# KiCad board IotKnob.kicad_pcb (continued)
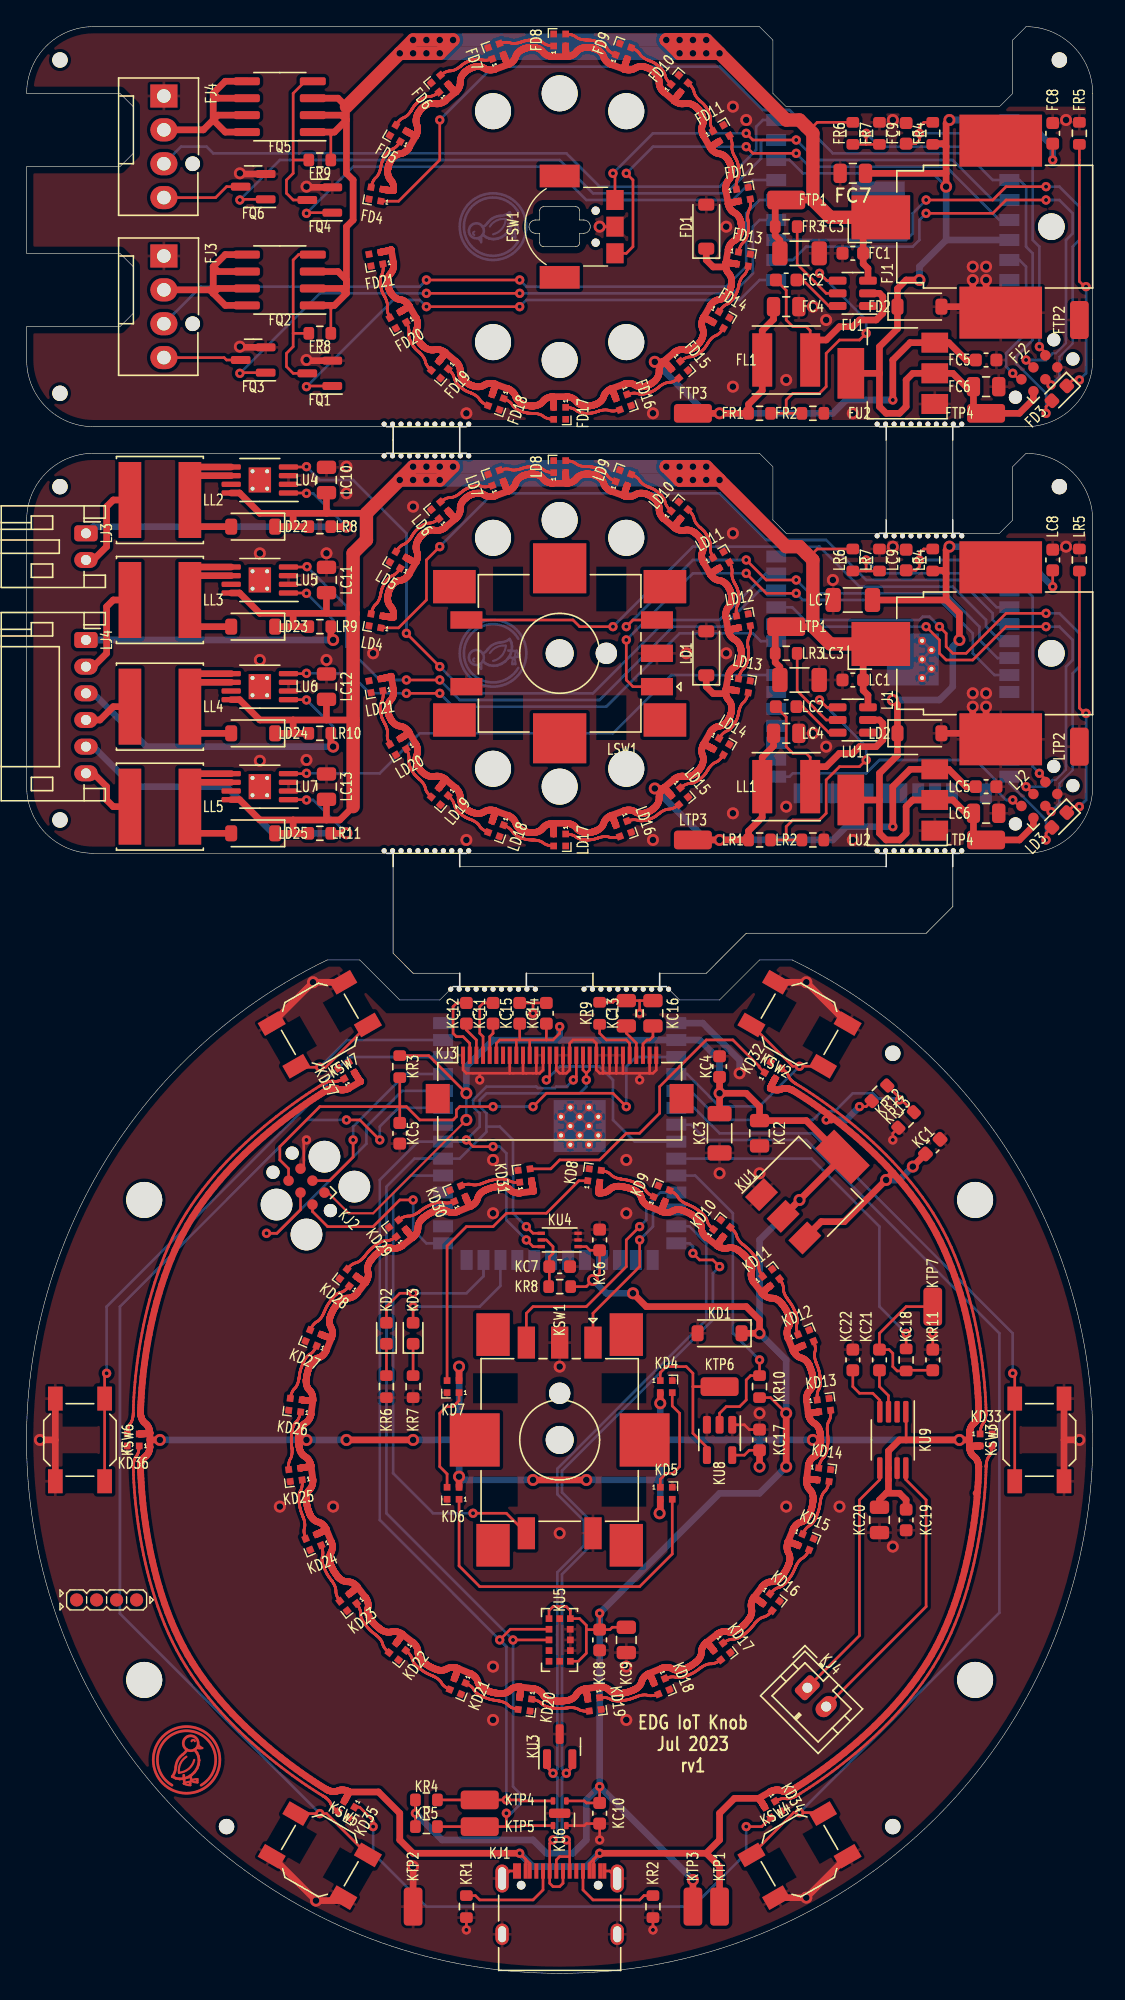
[diagram p0: board, top side]
## Routing (per net, layer and track width the routed paths; a pad name or vN(x,y) marks a point on that pad's centre or on a via; arc(x,y) is an arc through that point) (continued)
28.23,93.49 28.27,93.47 28.3,93.45 28.33,93.44 28.37,93.42 28.4,93.4 28.43,93.37 28.45,93.35 28.48,93.33 28.51,93.31 28.53,93.28 28.55,93.26 28.61,93.2 28.64,93.16 28.67,93.12 28.69,93.1 28.7,93.08 28.71,93.06 ; 20,86.51 17.5,86.51 15.97,88.03 LU7.8 ; 20,86.51 22.5,86.51 ; 40.5,143.76 40.49,143.77 40.49,143.8 40.49,143.81 40.48,143.82 40.48,143.85 40.48,143.86 40.48,143.88 40.48,143.89 40.47,143.93 40.47,143.95 40.47,144 40.47,144.02 40.47,144.05 40.46,144.08 40.46,144.1 40.45,144.28 40.45,144.3 40.45,144.33 40.45,144.35 40.45,144.37 40.45,144.39 40.45,144.41 40.45,144.43 40.45,144.48 40.45,144.49 FD8.2 ; 40.5,143.76 39.49,143.76 39.45,143.76 39.43,143.76 39.41,143.76 39.39,143.77 39.34,143.77 39.31,143.78 39.28,143.78 39.22,143.8 39.19,143.81 39.16,143.82 39.12,143.83 39.09,143.85 39.06,143.86 39.02,143.88 38.99,143.89 38.96,143.91 38.93,143.94 38.89,143.96 38.86,143.98 38.83,144.01 38.8,144.04 38.78,144.07 38.72,144.14 38.7,144.17 38.67,144.2 38.64,144.23 38.61,144.25 38.57,144.28 38.54,144.3 38.51,144.32 38.48,144.34 38.44,144.35 38.41,144.37 38.38,144.38 38.34,144.39 38.31,144.4 38.28,144.41 38.22,144.43 38.19,144.43 38.16,144.44 38.11,144.45 38.09,144.45 38.07,144.45 38.03,144.46 37.96,144.46 37.94,144.46 37.91,144.46 37.89,144.45 37.88,144.45 37.86,144.45 37.85,144.45 37.74,144.45 37.72,144.44 37.7,144.44 37.63,144.43 37.62,144.43 37.59,144.43 37.56,144.42 37.55,144.41 37.53,144.41 37.5,144.4 37.47,144.39 37.45,144.39 37.41,144.37 37.39,144.37 37.34,144.35 37.32,144.34 37.31,144.34 37.3,144.34 37.29,144.33 37.27,144.33 37.26,144.32 37.24,144.31 37.23,144.31 37.19,144.29 37.18,144.28 37.15,144.27 37.11,144.24 37.08,144.23 37.03,144.19 37,144.17 36.98,144.15 36.95,144.13 36.92,144.11 36.9,144.08 36.87,144.05 36.85,144.03 36.82,144 36.8,143.96 36.78,143.93 36.76,143.9 36.74,143.86 36.72,143.82 36.71,143.78 36.69,143.74 36.68,143.7 36.67,143.66 36.65,143.63 36.63,143.59 36.61,143.56 36.59,143.52 36.56,143.49 36.54,143.46 36.52,143.43 36.49,143.41 36.46,143.38 36.41,143.34 36.38,143.31 36.36,143.3 36.33,143.28 36.28,143.24 36.26,143.23 36.23,143.22 36.17,143.19 36.14,143.17 36.13,143.17 36.11,143.16 36.11,143.16 ; 43.89,118.85 43.91,118.84 43.92,118.81 43.93,118.79 43.95,118.75 43.97,118.72 43.98,118.7 43.98,118.68 43.99,118.66 44,118.64 44.01,118.61 44.02,118.59 44.03,118.56 44.05,118.54 44.06,118.52 44.08,118.47 44.08,118.44 44.09,118.42 44.11,118.38 44.12,118.35 44.13,118.33 44.15,118.29 44.16,118.26 44.17,118.24 44.17,118.22 44.19,118.18 44.2,118.16 44.2,118.14 44.21,118.12 FD16.2 ; 43.89,118.85 43.87,118.85 43.86,118.84 43.84,118.83 43.79,118.81 43.77,118.8 43.74,118.78 43.72,118.77 43.67,118.74 43.64,118.72 43.62,118.7 43.59,118.68 43.54,118.63 43.51,118.61 43.48,118.58 43.46,118.55 43.44,118.52 43.41,118.49 43.39,118.46 43.37,118.42 43.35,118.39 43.33,118.35 43.32,118.31 43.31,118.27 43.29,118.23 43.28,118.19 43.26,118.15 43.24,118.12 43.22,118.08 43.2,118.05 43.18,118.02 43.15,117.99 43.13,117.96 43.1,117.93 43.08,117.91 43.05,117.88 43.02,117.86 43,117.84 42.94,117.8 42.92,117.79 42.89,117.77 42.85,117.74 42.82,117.73 42.81,117.72 42.77,117.7 42.76,117.7 42.74,117.69 42.73,117.69 42.71,117.68 42.7,117.67 42.69,117.67 42.68,117.67 42.63,117.65 42.61,117.64 42.58,117.64 42.55,117.63 42.53,117.62 42.5,117.61 42.47,117.6 42.45,117.6 42.44,117.6 42.41,117.59 42.38,117.58 42.31,117.57 42.3,117.57 42.28,117.57 42.26,117.57 42.15,117.56 42.14,117.56 42.12,117.56 42.11,117.56 42.09,117.56 42.06,117.56 41.99,117.56 41.95,117.56 41.93,117.56 41.91,117.56 41.89,117.57 41.84,117.57 41.81,117.58 41.78,117.58 41.72,117.6 41.69,117.61 41.66,117.62 41.62,117.63 41.59,117.65 41.56,117.66 41.52,117.68 41.49,117.69 41.46,117.71 41.43,117.74 41.39,117.76 41.36,117.78 41.33,117.81 41.3,117.84 41.28,117.87 41.22,117.94 41.2,117.97 41.17,118 41.14,118.03 41.11,118.05 41.07,118.08 41.04,118.1 41.01,118.12 40.98,118.14 40.94,118.15 40.91,118.17 40.88,118.18 40.84,118.19 40.81,118.2 40.78,118.21 40.72,118.23 40.69,118.23 40.66,118.24 40.61,118.25 40.59,118.25 40.57,118.25 40.53,118.26 40.5,118.26 39.5,118.26 ; 43.89,118.85 44.83,119.2 44.85,119.2 44.87,119.21 44.88,119.21 44.92,119.22 44.97,119.23 44.99,119.24 45.05,119.24 45.08,119.25 45.14,119.25 45.17,119.25 45.21,119.25 45.25,119.25 45.28,119.25 45.32,119.25 45.36,119.24 45.39,119.23 45.43,119.22 45.47,119.21 45.51,119.2 45.55,119.18 45.58,119.17 45.62,119.15 45.66,119.12 45.69,119.1 45.73,119.08 45.77,119.06 45.8,119.05 45.84,119.03 45.88,119.02 45.92,119.01 45.95,119.01 45.99,119 46.03,119 46.06,119 46.1,118.99 46.14,118.99 46.17,119 46.2,119 46.26,119 46.32,119.01 46.35,119.02 46.39,119.03 46.41,119.03 46.44,119.04 46.47,119.05 46.48,119.05 46.5,119.06 46.51,119.06 46.53,119.07 46.57,119.08 46.59,119.09 46.63,119.11 46.66,119.12 46.69,119.14 46.71,119.14 46.77,119.17 46.79,119.19 46.81,119.19 46.82,119.2 46.83,119.21 46.85,119.22 46.88,119.24 46.89,119.25 46.91,119.26 46.92,119.27 46.93,119.28 46.94,119.28 47.01,119.33 47.03,119.35 47.04,119.36 47.07,119.38 47.1,119.41 47.12,119.43 47.14,119.44 47.15,119.45 47.17,119.47 47.18,119.48 47.19,119.5 47.21,119.52 47.23,119.54 47.25,119.56 47.26,119.58 47.28,119.6 47.3,119.63 47.33,119.69 47.35,119.72 47.37,119.75 47.39,119.78 47.4,119.82 47.41,119.85 47.43,119.89 47.44,119.92 47.45,119.96 47.45,120 47.46,120.04 47.46,120.08 47.47,120.13 47.46,120.21 47.46,120.25 47.47,120.29 47.47,120.33 47.48,120.37 47.49,120.41 47.5,120.45 47.51,120.49 47.53,120.52 47.54,120.55 47.56,120.59 47.57,120.62 47.59,120.65 47.61,120.68 47.64,120.73 47.66,120.76 47.68,120.78 47.7,120.8 47.72,120.82 47.73,120.84 47.75,120.85 47.76,120.87 47.77,120.88 47.79,120.9 47.81,120.91 47.81,120.92 ; LU7.6 12.67,89.33 ; 56.17,101.01 LR3.1 56.17,98.33 56.53,97.98 LC3.1 ; 39.5,86.26 40.51,86.26 40.55,86.25 40.57,86.25 40.59,86.25 40.61,86.25 40.66,86.24 40.69,86.23 40.72,86.23 40.78,86.21 40.81,86.2 40.84,86.19 40.88,86.18 40.91,86.17 40.94,86.15 40.98,86.14 41.01,86.12 41.04,86.1 41.07,86.08 41.11,86.05 41.14,86.03 41.17,86 41.2,85.97 41.22,85.94 41.28,85.87 41.3,85.84 41.33,85.81 41.36,85.78 41.39,85.76 41.43,85.74 41.46,85.71 41.49,85.69 41.52,85.68 41.56,85.66 41.59,85.65 41.62,85.63 41.66,85.62 41.69,85.61 41.72,85.6 41.78,85.58 41.81,85.58 41.84,85.57 41.89,85.57 41.91,85.56 41.93,85.56 41.97,85.56 42.03,85.56 42.04,85.56 42.06,85.56 42.09,85.56 42.11,85.56 42.12,85.56 42.14,85.56 42.15,85.56 42.26,85.57 42.28,85.57 42.3,85.57 42.37,85.58 42.38,85.58 42.41,85.59 42.44,85.6 42.45,85.6 42.47,85.6 42.5,85.61 42.53,85.62 42.55,85.63 42.59,85.64 42.61,85.64 42.66,85.66 42.68,85.67 42.69,85.67 42.7,85.67 42.71,85.68 42.73,85.69 42.74,85.69 42.76,85.7 42.77,85.7 42.81,85.72 42.82,85.73 42.85,85.74 42.89,85.77 42.92,85.79 42.97,85.82 43,85.84 43.02,85.86 43.05,85.88 43.08,85.91 43.1,85.93 43.13,85.96 43.15,85.99 43.18,86.02 43.2,86.05 43.22,86.08 43.24,86.12 43.26,86.15 43.28,86.19 43.29,86.23 43.31,86.27 43.32,86.31 43.33,86.35 43.35,86.39 43.37,86.42 43.39,86.46 43.41,86.49 43.44,86.52 43.46,86.55 43.48,86.58 43.51,86.61 43.54,86.63 43.59,86.68 43.62,86.7 43.64,86.72 43.67,86.74 43.72,86.77 43.74,86.78 43.77,86.8 43.83,86.83 43.86,86.84 43.87,86.85 43.89,86.85 43.89,86.85 ; 39.5,86.26 39.51,86.24 39.51,86.22 39.51,86.2 39.52,86.19 39.52,86.16 39.52,86.15 39.52,86.14 39.52,86.12 39.53,86.08 39.53,86.06 39.53,86.01 39.53,85.99 39.53,85.96 39.54,85.94 39.54,85.91 39.55,85.73 39.55,85.71 39.55,85.69 39.55,85.66 39.55,85.64 39.55,85.62 39.55,85.6 39.55,85.58 39.55,85.53 39.55,85.52 LD17.2 ; 20,94.01 17.5,94.01 15.97,95.53 LU6.8 ; 20,94.01 22.5,94.01 ; LC10.1 22.5,109.51 ; 22.5,109.51 25,109.51 ; 52.64,132.73 52.66,132.74 52.67,132.74 52.71,132.76 52.76,132.77 52.81,132.78 52.83,132.79 52.88,132.8 53.03,132.84 53.06,132.84 53.08,132.85 53.13,132.86 53.17,132.87 53.2,132.87 53.22,132.88 53.26,132.89 53.28,132.89 53.3,132.89 53.31,132.9 53.34,132.9 53.36,132.9 53.38,132.91 53.39,132.91 53.42,132.92 53.42,132.92 ; 52.64,132.73 52.47,133.71 52.47,133.74 52.46,133.75 52.46,133.77 52.46,133.78 52.46,133.85 52.46,133.9 52.46,133.93 52.46,133.96 52.46,134 52.47,134.03 52.47,134.06 52.48,134.1 52.49,134.13 52.5,134.17 52.5,134.2 52.52,134.24 52.53,134.27 52.55,134.31 52.56,134.34 52.58,134.38 52.61,134.41 52.63,134.45 52.66,134.48 52.71,134.54 52.74,134.58 52.76,134.61 52.78,134.64 52.8,134.68 52.82,134.72 52.84,134.75 52.85,134.79 52.86,134.82 52.87,134.86 52.88,134.89 52.89,134.93 52.89,134.96 52.9,135 52.9,135.03 52.91,135.06 52.91,135.15 52.91,135.17 52.91,135.22 52.91,135.24 52.91,135.26 52.9,135.29 52.9,135.31 52.89,135.34 52.89,135.38 52.88,135.39 52.88,135.43 52.87,135.46 52.86,135.47 52.86,135.49 52.85,135.52 52.85,135.54 52.85,135.55 52.84,135.57 52.83,135.62 52.83,135.63 52.82,135.66 52.8,135.7 52.79,135.72 52.77,135.77 52.76,135.8 52.74,135.82 52.73,135.85 52.71,135.88 52.71,135.89 52.7,135.91 52.69,135.92 52.68,135.94 52.67,135.97 52.65,135.99 52.64,136.01 52.63,136.03 52.61,136.06 52.58,136.09 52.57,136.11 52.53,136.15 52.49,136.2 52.47,136.22 52.45,136.24 52.42,136.26 52.39,136.29 52.37,136.31 52.34,136.33 52.31,136.35 52.27,136.37 52.24,136.39 52.21,136.41 52.17,136.42 52.13,136.44 52.09,136.45 52.05,136.46 52.01,136.47 51.97,136.47 51.93,136.48 51.89,136.49 51.85,136.5 51.81,136.51 51.77,136.53 51.73,136.54 51.7,136.56 51.67,136.58 51.63,136.6 51.6,136.62 51.57,136.64 51.55,136.66 51.52,136.68 51.49,136.71 51.47,136.73 51.45,136.75 51.39,136.82 51.36,136.85 51.33,136.89 51.31,136.92 51.3,136.94 51.29,136.95 ; 21.47,140.64 23.36,140.64 24,140.01 24,139.01 ; LD10.2 49.05,109.09 49.04,109.08 49,109.04 48.98,109.01 48.97,109 48.96,108.98 48.94,108.95 48.92,108.94 48.91,108.92 48.85,108.85 48.84,108.83 48.81,108.78 48.79,108.76 48.77,108.74 48.76,108.72 48.74,108.7 48.71,108.66 48.7,108.64 48.68,108.62 48.66,108.59 48.64,108.56 48.63,108.55 48.62,108.52 48.6,108.49 48.59,108.47 48.58,108.46 48.58,108.45 48.58,108.45 ; LU7.5 12.53,89.98 ; 20,102.01 24.5,102.01 ; 20,102.01 17.5,102.01 15.97,103.53 LU5.8 ; 35.17,119.2 35.17,119.2 35.17,119.19 35.17,119.17 35.17,119.16 35.16,119.13 35.16,119.12 35.16,119.1 35.15,119.09 35.15,119.08 35.14,119.06 35.14,119.02 35.13,119 35.12,118.98 35.12,118.96 35.11,118.93 35.1,118.91 35.09,118.88 35.07,118.81 35.06,118.78 35.05,118.73 35.04,118.71 35.03,118.69 35.02,118.64 35,118.58 34.98,118.55 34.98,118.53 34.97,118.52 34.96,118.49 34.96,118.48 34.95,118.45 FD18.2 ; 35.17,119.2 36.11,118.85 36.13,118.85 36.14,118.84 36.16,118.83 36.21,118.81 36.23,118.8 36.26,118.78 36.28,118.77 36.33,118.74 36.36,118.72 36.38,118.7 36.41,118.68 36.46,118.63 36.49,118.61 36.52,118.58 36.54,118.55 36.56,118.52 36.59,118.49 36.61,118.46 36.63,118.42 36.65,118.39 36.67,118.35 36.68,118.31 36.69,118.27 36.71,118.23 36.72,118.19 36.74,118.15 36.76,118.12 36.78,118.08 36.8,118.05 36.82,118.02 36.85,117.99 36.87,117.96 36.9,117.93 36.92,117.91 36.95,117.88 36.98,117.86 37,117.84 37.06,117.8 37.08,117.79 37.11,117.77 37.15,117.74 37.18,117.73 37.19,117.72 37.23,117.7 37.24,117.7 37.26,117.69 37.27,117.69 37.29,117.68 37.3,117.67 37.31,117.67 37.32,117.67 37.37,117.65 37.39,117.64 37.42,117.64 37.45,117.63 37.47,117.62 37.5,117.61 37.53,117.6 37.55,117.6 37.56,117.6 37.59,117.59 37.62,117.58 37.69,117.57 37.7,117.57 37.72,117.57 37.74,117.57 37.85,117.56 37.86,117.56 37.88,117.56 37.89,117.56 37.91,117.56 37.94,117.56 38.01,117.56 38.05,117.56 38.07,117.56 38.09,117.56 38.11,117.57 38.16,117.57 38.19,117.58 38.22,117.58 38.28,117.6 38.31,117.61 38.34,117.62 38.38,117.63 38.41,117.65 38.44,117.66 38.48,117.68 38.51,117.69 38.54,117.71 38.57,117.74 38.61,117.76 38.64,117.78 38.67,117.81 38.7,117.84 38.72,117.87 38.78,117.94 38.8,117.97 38.83,118 38.86,118.03 38.89,118.05 38.93,118.08 38.96,118.1 38.99,118.12 39.02,118.14 39.06,118.15 39.09,118.17 39.12,118.18 39.16,118.19 39.19,118.2 39.22,118.21 39.28,118.23 39.31,118.23 39.34,118.24 39.39,118.25 39.41,118.25 39.43,118.25 39.47,118.26 39.5,118.26 ; 51.29,104.95 51.31,104.92 51.33,104.89 51.36,104.85 51.39,104.82 51.45,104.75 51.47,104.73 51.49,104.71 51.52,104.68 51.55,104.66 51.57,104.64 51.6,104.62 51.63,104.6 51.67,104.58 51.7,104.56 51.73,104.54 51.77,104.53 51.81,104.51 51.85,104.5 51.89,104.49 51.93,104.48 51.97,104.47 52.01,104.47 52.05,104.46 52.09,104.45 52.13,104.44 52.17,104.42 52.21,104.41 52.24,104.39 52.27,104.37 52.31,104.35 52.34,104.33 52.37,104.31 52.39,104.29 52.42,104.26 52.45,104.24 52.47,104.22 52.49,104.2 52.53,104.15 52.57,104.11 52.58,104.09 52.62,104.04 52.64,104.01 52.65,104 52.66,103.98 52.67,103.95 52.69,103.92 52.7,103.91 52.71,103.89 52.72,103.87 52.73,103.85 52.75,103.81 52.76,103.8 52.78,103.75 52.79,103.72 52.82,103.66 52.83,103.63 52.83,103.62 52.84,103.57 52.85,103.55 52.85,103.54 52.85,103.52 52.86,103.49 52.86,103.47 52.87,103.46 52.88,103.42 52.88,103.39 52.89,103.35 52.9,103.31 52.9,103.3 52.9,103.29 52.91,103.26 52.91,103.24 52.91,103.22 52.91,103.17 52.91,103.15 52.91,103.06 52.9,103.03 52.9,103 52.89,102.96 52.89,102.93 52.88,102.89 52.87,102.86 52.86,102.82 52.85,102.79 52.84,102.75 52.82,102.72 52.8,102.68 52.78,102.64 52.76,102.61 52.74,102.58 52.71,102.54 52.66,102.48 52.63,102.45 52.61,102.41 52.58,102.38 52.56,102.34 52.55,102.31 52.53,102.27 52.52,102.24 52.5,102.2 52.5,102.17 52.49,102.13 52.48,102.1 52.47,102.06 52.47,102.03 52.46,102 52.46,101.96 52.46,101.93 52.46,101.9 52.46,101.85 52.46,101.78 52.46,101.77 52.46,101.75 52.47,101.72 52.47,101.71 52.64,100.73 ; 51.29,104.95 50.79,105.81 50.78,105.83 50.77,105.86 50.75,105.9 50.74,105.92 50.72,105.96 50.72,105.99 50.7,106.05 50.68,106.11 50.67,106.14 50.67,106.18 50.66,106.21 50.66,106.29 50.66,106.32 50.66,106.36 50.66,106.4 50.66,106.44 50.67,106.48 50.68,106.52 50.69,106.56 50.7,106.6 50.72,106.64 50.74,106.68 50.75,106.72 50.76,106.76 50.77,106.8 50.78,106.84 50.78,106.88 50.78,106.92 50.78,106.95 50.78,106.99 50.78,107.06 50.77,107.1 50.76,107.17 50.74,107.23 50.72,107.29 50.72,107.31 50.7,107.36 50.69,107.38 50.68,107.4 50.67,107.42 50.67,107.43 50.66,107.45 50.64,107.47 50.64,107.49 50.63,107.5 50.61,107.52 50.61,107.53 50.59,107.55 50.57,107.59 50.56,107.61 50.53,107.65 50.52,107.67 50.51,107.69 50.48,107.73 50.45,107.76 50.44,107.78 50.41,107.81 50.36,107.86 50.35,107.87 50.34,107.88 50.27,107.95 50.2,108.01 50.18,108.02 50.17,108.03 50.16,108.04 50.15,108.05 50.12,108.07 50.1,108.08 50.08,108.09 50.04,108.12 49.99,108.14 49.94,108.17 49.91,108.18 49.87,108.2 49.84,108.21 49.81,108.22 49.77,108.23 49.7,108.25 49.66,108.25 49.62,108.26 49.58,108.26 49.54,108.26 49.5,108.26 49.46,108.25 49.42,108.25 49.34,108.23 49.3,108.22 49.25,108.22 49.21,108.22 49.17,108.22 49.13,108.22 49.09,108.22 49.06,108.23 49.02,108.24 48.98,108.25 48.95,108.26 48.92,108.27 48.88,108.28 48.85,108.29 48.82,108.31 48.79,108.32 48.77,108.33 48.74,108.35 48.72,108.36 48.69,108.37 48.64,108.41 48.62,108.42 48.61,108.43 48.6,108.44 48.58,108.45 ; 51.29,104.95 51.3,104.96 51.33,104.98 51.35,105 51.39,105.03 51.4,105.04 51.43,105.06 51.47,105.08 51.49,105.1 51.51,105.11 51.55,105.14 51.57,105.16 51.66,105.21 51.7,105.24 51.72,105.25 51.74,105.26 51.76,105.27 51.78,105.29 51.8,105.3 51.82,105.31 51.85,105.33 51.89,105.35 51.93,105.38 51.95,105.39 51.96,105.39 ; 14,126.01 14.36,126.37 FQ2.7 ; 14,126.01 14.91,125.1 FQ2.8 ; 14,126.01 14,128.01 ; 14,126.01 13.74,126.27 FJ3.2 ; 28.04,124.62 28.07,124.64 28.11,124.66 28.14,124.68 28.18,124.71 28.2,124.72 28.22,124.73 28.24,124.74 28.26,124.75 28.28,124.76 28.3,124.78 28.34,124.8 28.43,124.86 28.45,124.87 28.49,124.9 28.51,124.92 28.53,124.93 28.59,124.97 28.6,124.98 28.61,124.99 28.65,125.01 28.67,125.02 28.69,125.04 28.7,125.05 28.71,125.06 ; 52.47,95.98 51.52,95.98 51,96.51 LD1.1 ; 52.47,95.98 52.47,95.95 52.48,95.92 52.49,95.88 52.5,95.85 52.5,95.81 52.52,95.78 52.53,95.74 52.55,95.7 52.56,95.67 52.58,95.63 52.61,95.6 52.63,95.57 52.66,95.53 52.71,95.47 52.74,95.44 52.76,95.4 52.78,95.37 52.8,95.33 52.82,95.3 52.84,95.26 52.85,95.23 52.86,95.19 52.87,95.15 52.88,95.12 52.89,95.08 52.89,95.05 52.9,95.02 52.9,94.98 52.91,94.95 52.91,94.87 52.91,94.84 52.91,94.79 52.91,94.77 52.91,94.75 52.9,94.73 52.9,94.71 52.89,94.68 52.89,94.64 52.88,94.62 52.88,94.58 52.87,94.55 52.86,94.54 52.86,94.52 52.85,94.49 52.85,94.48 52.85,94.46 52.84,94.44 52.83,94.4 52.83,94.38 52.82,94.36 52.8,94.32 52.79,94.29 52.77,94.25 52.76,94.22 52.74,94.19 52.73,94.16 52.71,94.13 52.71,94.12 52.7,94.11 52.69,94.09 52.68,94.07 52.67,94.04 52.65,94.02 52.64,94 52.63,93.98 52.61,93.95 52.58,93.92 52.57,93.9 52.53,93.86 52.49,93.82 52.47,93.79 52.45,93.77 52.42,93.75 52.39,93.73 52.37,93.7 52.34,93.68 52.31,93.66 52.27,93.64 52.24,93.62 52.21,93.61 52.17,93.59 52.13,93.58 52.09,93.56 52.05,93.55 52.01,93.54 51.97,93.54 51.93,93.53 51.89,93.53 51.85,93.51 51.81,93.5 51.77,93.49 51.73,93.47 51.7,93.45 51.67,93.44 51.63,93.42 51.6,93.4 51.57,93.37 51.55,93.35 51.52,93.33 51.49,93.31 51.47,93.28 51.45,93.26 51.39,93.2 51.36,93.16 51.33,93.12 51.31,93.1 51.3,93.08 51.29,93.06 50.79,92.2 ; LD16.2 44.2,86.15 44.19,86.17 44.19,86.18 44.18,86.21 44.17,86.22 44.17,86.24 44.15,86.27 44.15,86.29 44.13,86.33 44.12,86.35 44.11,86.38 44.09,86.42 44.08,86.44 44.08,86.47 44.06,86.52 44.05,86.54 44.03,86.56 44.02,86.59 44.01,86.61 44,86.64 43.99,86.66 43.98,86.68 43.98,86.7 43.97,86.72 43.95,86.75 43.94,86.77 43.92,86.8 43.92,86.82 43.9,86.85 43.89,86.85 ; 47.81,88.92 48.58,89.56 48.6,89.58 48.61,89.58 48.62,89.59 48.65,89.61 48.69,89.64 48.72,89.65 48.74,89.67 48.77,89.68 48.79,89.69 48.82,89.71 48.85,89.72 48.88,89.73 48.92,89.74 48.95,89.76 48.98,89.77 49.02,89.77 49.06,89.78 49.09,89.79 49.13,89.79 49.17,89.8 49.21,89.8 49.25,89.79 49.3,89.79 49.34,89.78 49.42,89.77 49.46,89.76 49.5,89.76 49.54,89.75 49.58,89.75 49.62,89.76 49.66,89.76 49.7,89.77 49.77,89.78 49.81,89.79 49.84,89.81 49.87,89.82 49.91,89.83 49.94,89.84 49.99,89.87 50.04,89.9 50.08,89.92 50.1,89.93 50.15,89.97 50.16,89.97 50.17,89.98 50.24,90.04 50.26,90.06 50.27,90.07 50.34,90.13 50.35,90.14 50.36,90.15 50.41,90.2 50.44,90.23 50.45,90.25 50.48,90.29 50.51,90.33 50.52,90.34 50.55,90.39 50.56,90.41 50.57,90.42 50.59,90.45 50.59,90.46 50.61,90.48 50.62,90.5 50.63,90.52 50.64,90.54 50.65,90.55 50.66,90.56 50.67,90.58 50.67,90.6 50.68,90.61 50.69,90.63 50.7,90.65 50.72,90.7 50.72,90.73 50.74,90.78 50.76,90.85 50.77,90.91 50.78,90.95 50.78,91.02 50.78,91.06 50.78,91.1 50.78,91.14 50.78,91.18 50.77,91.21 50.76,91.25 50.75,91.29 50.74,91.33 50.72,91.37 50.7,91.41 50.69,91.45 50.68,91.49 50.67,91.53 50.66,91.57 50.66,91.61 50.66,91.65 50.66,91.69 50.66,91.73 50.66,91.8 50.67,91.84 50.67,91.87 50.68,91.9 50.7,91.97 50.72,92.02 50.72,92.05 50.74,92.1 50.75,92.12 50.77,92.15 50.78,92.19 50.79,92.2 ; 47.81,88.92 47.79,88.9 47.77,88.88 47.76,88.87 47.75,88.85 47.73,88.84 47.72,88.82 47.7,88.8 47.68,88.78 47.66,88.76 47.64,88.73 47.61,88.68 47.59,88.65 47.57,88.62 47.56,88.59 47.54,88.55 47.53,88.52 47.51,88.49 47.5,88.45 47.49,88.41 47.48,88.37 47.47,88.33 47.47,88.29 47.46,88.25 47.46,88.21 47.47,88.13 47.46,88.08 47.46,88.04 47.45,88 47.45,87.96 47.44,87.92 47.43,87.89 47.41,87.85 47.4,87.82 47.39,87.78 47.37,87.75 47.35,87.72 47.33,87.69 47.3,87.63 47.28,87.6 47.26,87.58 47.25,87.56 47.21,87.52 47.19,87.5 47.18,87.48 47.17,87.47 47.15,87.45 47.14,87.44 47.12,87.43 47.1,87.41 47.09,87.4 47.04,87.36 47.03,87.35 47.01,87.33 46.97,87.3 46.94,87.28 46.93,87.28 46.92,87.27 46.91,87.26 46.89,87.25 46.88,87.24 46.85,87.22 46.83,87.21 46.82,87.2 46.81,87.19 46.78,87.18 46.74,87.16 46.71,87.14 46.69,87.14 46.66,87.12 46.63,87.11 46.59,87.09 46.55,87.08 46.52,87.07 46.5,87.06 46.49,87.06 46.48,87.05 46.44,87.04 46.41,87.03 46.37,87.02 46.35,87.02 46.32,87.01 46.26,87 46.2,87 46.17,87 46.14,86.99 46.1,86.99 46.06,87 46.03,87 45.99,87 45.95,87.01 45.92,87.01 45.88,87.02 45.84,87.03 45.8,87.05 45.77,87.06 45.73,87.08 45.69,87.1 45.66,87.12 45.62,87.15 45.58,87.17 45.55,87.18 45.51,87.2 45.47,87.21 45.43,87.22 45.39,87.23 45.36,87.24 45.32,87.25 45.28,87.25 45.25,87.25 45.21,87.25 45.17,87.25 45.14,87.25 45.08,87.25 45.02,87.24 44.99,87.24 44.94,87.23 44.92,87.22 44.88,87.21 44.87,87.21 44.85,87.2 43.89,86.85 ; 47.88,120.87 47.9,120.85 47.96,120.79 47.99,120.75 48.01,120.73 48.05,120.7 48.06,120.68 48.1,120.64 48.15,120.58 48.17,120.56 48.23,120.49 48.24,120.48 48.26,120.46 48.27,120.45 48.28,120.43 48.29,120.42 48.3,120.41 48.33,120.38 48.35,120.36 48.35,120.35 48.36,120.34 ; 47.88,120.87 47.87,120.88 47.85,120.89 47.83,120.91 47.81,120.92 ; 47.88,120.87 v1(47.14,120.87) ; 28.49,106.17 28.51,106.16 28.53,106.15 28.57,106.13 28.62,106.1 28.67,106.07 28.69,106.06 28.71,106.05 28.73,106.04 28.75,106.03 28.77,106.02 28.82,105.99 28.86,105.97 28.91,105.94 28.94,105.93 28.96,105.92 28.98,105.91 29.03,105.89 29.08,105.86 29.09,105.86 29.11,105.85 29.13,105.84 29.14,105.83 29.15,105.83 29.17,105.82 29.19,105.82 29.2,105.81 29.21,105.81 ; 52.47,127.98 51.52,127.98 51,128.51 FD1.1 ; 21.47,138.1 23.09,138.1 24,139.01 ; 52.64,100.73 52.66,100.74 52.67,100.74 52.71,100.76 52.76,100.77 52.81,100.78 52.83,100.79 52.88,100.8 53.03,100.84 53.06,100.84 53.08,100.85 53.13,100.86 53.17,100.87 53.2,100.87 53.22,100.88 53.26,100.89 53.28,100.89 53.3,100.89 53.31,100.9 53.34,100.9 53.36,100.9 53.38,100.91 53.39,100.91 53.42,100.92 53.42,100.92 ; LC12.1 22.5,94.01 ; 22.5,94.01 24.5,94.01 ; LL4.1 6.5,95.01 5.5,94.01 LJ4.4 ; 14,128.01 14.91,128.91 FQ2.5 ; 14,128.01 14.36,127.64 FQ2.6 ; LU5.5 13.03,105.48 ; 50.79,92.2 50.81,92.19 50.84,92.19 50.85,92.18 50.86,92.18 50.89,92.16 50.91,92.16 50.92,92.15 50.97,92.13 51.02,92.1 51.04,92.09 51.06,92.08 51.09,92.07 51.14,92.05 51.18,92.02 51.23,92 51.25,91.99 51.27,91.97 51.29,91.96 51.31,91.95 51.36,91.92 51.41,91.9 51.47,91.87 51.48,91.86 51.51,91.84 ; LC4.1 56.05,92.06 55.2,91.21 LL1.2 55.2,86.71 54.17,85.68 LR1.1 LTP3.1 ; LD23.2 12.5,101.01 ; 36.11,143.16 36.09,143.18 36.08,143.2 36.07,143.23 36.05,143.26 36.03,143.3 36.02,143.31 36.02,143.33 36.01,143.35 36,143.38 35.99,143.4 35.98,143.42 35.97,143.45 35.95,143.47 35.94,143.5 35.92,143.54 35.92,143.57 35.91,143.59 35.89,143.64 35.88,143.66 35.87,143.68 35.85,143.72 35.84,143.76 35.83,143.77 35.83,143.79 35.81,143.83 35.8,143.86 35.8,143.87 35.79,143.89 FD7.2 ; 22.5,86.51 LC13.1 ; 22.5,86.51 23.5,86.51 24.5,87.51 ; 39.5,118.26 39.51,118.24 39.51,118.22 39.51,118.2 39.52,118.19 39.52,118.16 39.52,118.15 39.52,118.14 39.52,118.12 39.53,118.08 39.53,118.06 39.53,118.01 39.53,117.99 39.53,117.96 39.54,117.94 39.54,117.91 39.55,117.73 39.55,117.71 39.55,117.69 39.55,117.66 39.55,117.64 39.55,117.62 39.55,117.6 39.55,117.58 39.55,117.53 39.55,117.52 FD17.2 ; FU1.2 64,126.01 64.25,125.76 64.25,124.51 63.75,124.01 62.5,124.01 62,123.51 61,123.51 60,122.51 58.5,122.51 ; 29.21,105.81 28.71,104.95 28.69,104.92 28.67,104.89 28.64,104.85 28.61,104.82 28.55,104.75 28.53,104.73 28.51,104.71 28.48,104.68 28.45,104.66 28.43,104.64 28.4,104.62 28.37,104.6 28.33,104.58 28.3,104.56 28.27,104.54 28.23,104.53 28.19,104.51 28.15,104.5 28.11,104.49 28.07,104.48 28.03,104.47 27.99,104.47 27.95,104.46 27.91,104.45 27.87,104.44 27.83,104.42 27.79,104.41 27.76,104.39 27.73,104.37 27.69,104.35 27.66,104.33 27.63,104.31 27.61,104.29 27.58,104.26 27.55,104.24 27.53,104.22 27.51,104.2 27.47,104.15 27.43,104.11 27.42,104.09 27.38,104.04 27.36,104.01 27.35,104 27.34,103.98 27.33,103.95 27.31,103.92 27.3,103.91 27.29,103.89 27.28,103.87 27.27,103.85 27.25,103.81 27.24,103.8 27.22,103.75 27.21,103.72 27.18,103.66 27.17,103.63 27.17,103.62 27.16,103.57 27.15,103.55 27.15,103.54 27.15,103.52 27.14,103.49 27.14,103.47 27.13,103.46 27.12,103.42 27.12,103.39 27.11,103.35 27.1,103.31 27.1,103.3 27.1,103.29 27.09,103.26 27.09,103.24 27.09,103.22 27.09,103.17 27.09,103.15 27.09,103.06 27.1,103.03 27.1,103 27.11,102.96 27.11,102.93 27.12,102.89 27.13,102.86 27.14,102.82 27.15,102.79 27.16,102.75 27.18,102.72 27.2,102.68 27.22,102.64 27.24,102.61 27.26,102.58 27.29,102.54 27.34,102.48 27.37,102.45 27.39,102.41 27.42,102.38 27.44,102.34 27.45,102.31 27.47,102.27 27.48,102.24 27.5,102.2 27.5,102.17 27.51,102.13 27.52,102.1 27.53,102.06 27.53,102.03 27.54,102 27.54,101.96 27.54,101.93 27.54,101.9 27.54,101.85 27.54,101.78 27.54,101.77 27.54,101.75 27.53,101.72 27.53,101.71 27.51,101.71 27.47,101.71 27.46,101.71 27.45,101.71 27.41,101.71 27.39,101.71 27.33,101.72 27.29,101.72 27.21,101.73 27.18,101.74 27.13,101.74 27.1,101.75 27.05,101.75 27.03,101.76 27.01,101.76 26.98,101.76 26.92,101.77 26.86,101.78 26.83,101.79 26.8,101.79 26.76,101.8 26.74,101.8 ; LL2.1 6.5,110.51 6,110.01 6,107.01 5,106.01 ; 51.29,136.95 51.3,136.96 51.33,136.98 51.35,137 51.39,137.03 51.4,137.04 51.43,137.06 51.47,137.08 51.49,137.1 51.51,137.11 51.55,137.14 51.57,137.16 51.66,137.21 51.7,137.24 51.72,137.25 51.74,137.26 51.76,137.27 51.78,137.29 51.8,137.3 51.82,137.31 51.85,137.33 51.89,137.35 51.93,137.38 51.95,137.39 51.96,137.39 ; 62.78,130.48 FC1.1 62.78,128.23 63.14,127.87 FU1.3 ; LU6.6 12.67,96.83 ; LU5.6 12.67,104.83 ; LU4.5 12.97,112.98 12.5,112.51 ; LU4.6 12.67,112.33 ; LC11.1 22.5,102.01 ; 59,133.01 FTP1.1 ; LL3.1 6.5,103.01 6,102.51 6,99.01 5,98.01 ; LD25.2 12.5,85.51 ; v1(23,92.01) 22.83,92.18 LR10.2 ; LR8.2 v1(24,108.51) ; LD24.2 12.5,93.01 ; LR11.2 v1(24,85.51)
  Top w1: v1(51,144.01) v1(50,144.01) v1(49,144.01) ; v1(51,144.01) v1(49,144.01) ; v1(51,144.01) v1(50,145.01) ; v1(51,144.01) v1(52,144.01) ; v1(49,112.01) v1(51,112.01) ; v1(49,112.01) v1(49,113.01) ; v1(49,112.01) v1(48,113.01) ; v1(49,112.01) v1(50,112.01) v1(51,112.01) ; v1(51,112.01) v1(50,113.01) ; v1(51,112.01) v1(52,112.01) ; v1(28,112.01) v1(29,113.01) v1(32,113.01) v1(31,112.01) v1(28,112.01) ; v1(28,112.01) 25.5,109.51 25.5,107.51 24.5,106.51 24.5,87.51 ; v1(28,144.01) v1(31,144.01) v1(32,145.01) v1(29,145.01) v1(28,144.01) ; v1(28,144.01) 24,140.01 ; v1(52,112.01) v1(51,113.01) v1(48,113.01) ; v1(52,112.01) 57,107.01 58,107.01 59,106.01 59,101.01 60.3,99.71 LJ1.1 ; v1(48,145.01) v1(51,145.01) v1(52,144.01) ; v1(48,145.01) v1(50,145.01) ; v1(48,145.01) v1(49,145.01) ; v1(48,145.01) v1(49,144.01) ; v1(50,145.01) v1(49,145.01) ; v1(49,113.01) v1(48,113.01) ; v1(49,113.01) v1(50,113.01) ; v1(50,113.01) v1(48,113.01) ; v1(49,144.01) v1(49,145.01) ; v1(52,144.01) 57,139.01 58,139.01 59,138.01 59,133.01 60.3,131.71 FJ1.1
  Bottom w0.2: v2(63,106.01) 64,105.01 70.25,105.01 72.8,102.46 LU3.4 ; v2(21,97.51) 24.25,97.51 25.75,96.01 v2(28.5,96.01) ; v1(23,92.01) 23,93.51 v2(21,95.51) ; v2(31,96.01) 32,95.01 43.5,95.01 49,100.51 54.5,100.51 55.09,99.92 LU3.35 ; v2(37,125.01) 37.5,125.51 53.5,125.51 55,127.01 FU3.10 ; v2(28.5,100.51) 28.5,108.01 24.5,112.01 22,112.01 v2(21,113.01) ; v2(59.5,127.51) 63,124.01 v2(63,123.01) ; v1(23,100.01) 23,101.51 v2(21,103.51) ; v2(16,133.01) 19,136.01 40,136.01 42.5,133.51 52.5,133.51 55.11,136.12 55.11,137.37 55.25,137.51 FU3.17 ; v2(30,127.01) 29.5,126.51 13.08,126.51 FJ3.3 ; v2(63,138.01) 64,137.01 71.5,137.01 72.5,136.01 FU3.3 ; v2(63,91.01) 63,92.01 v2(59.5,95.51) ; FJ4.3 11.58,137.01 13.5,137.01 14,136.51 40.5,136.51 43,134.01 52,134.01 54.75,136.76 54.75,138.51 55.25,139.01 FU3.18 ; LU3.33 48.37,97.38 44,93.01 29.5,93.01 26.5,90.01 v2(21,90.01) ; FU3.15 54.5,134.51 53,133.01 42,133.01 39.5,135.51 24.5,135.51 v2(21,132.01) ; v2(31,98.01) 33,96.01 42.5,96.01 48,101.51 52,101.51 55.49,105 LU3.39 ; v2(28.5,97.01) 26.5,97.01 24,99.51 24,102.54 v2(21.04,105.51) ; v2(37,126.01) 53,126.01 54.5,127.51 54.5,131.01 55,131.51 FU3.13 ; v2(21,111.01) 21.5,111.01 v1(24,108.51) ; v2(37,127.01) 37.5,126.51 52.5,126.51 54,128.01 54,132.01 55,133.01 FU3.14 ; LU3.5 72.82,101.19 72.5,101.51 72.5,102.01 70,104.51 63,104.51 60,107.51 55.5,107.51 52,111.01 35,111.01 v2(31,107.01) ; v1(24,85.51) 21.5,88.01 v2(21,88.01) ; v2(30,125.01) 29.5,125.51 27.5,125.51 v2(21,119.01) ; v2(30,126.01) 22,126.01 v2(16,120.01) ; v2(31,97.01) 32.5,95.51 43,95.51 48.5,101.01 52.28,101.01 55,103.73 LU3.38
  Bottom w0.5: v1(24,85.51) 18.5,85.51 15,89.01 8,89.01 5,92.01 ; v1(23,100.01) 5,100.01 ; v1(47.14,120.87) 51,117.01 v1(52,117.01) 60.5,117.01 61.5,118.01 v2(65,118.01) ; 5,96.01 9,92.01 v1(23,92.01) ; 4.5,108.01 5,108.51 v1(24,108.51) ; v1(47.14,88.87) 51,85.01 v1(52,85.01) 60.5,85.01 61.5,86.01 v2(65,86.01)
  Bottom w1: v1(50,145.01) v1(29,145.01) v1(28,144.01) v1(51,144.01) v1(50,145.01) ; v1(50,145.01) v1(51,145.01) v1(52,144.01) v1(49,144.01) ; v1(49,112.01) v1(52,112.01) v1(51,113.01) v1(50,113.01) ; v1(50,113.01) v1(51,112.01) v1(28,112.01) v1(29,113.01) v1(50,113.01)
  vias: v1(29,144.01) v1(29,112.01) v1(30,145.01) v1(30,144.01) v1(30,113.01) v1(30,112.01) v1(31,145.01) v1(31,113.01)
